# Allegro board 8880F5-0822_7.brd (continued)
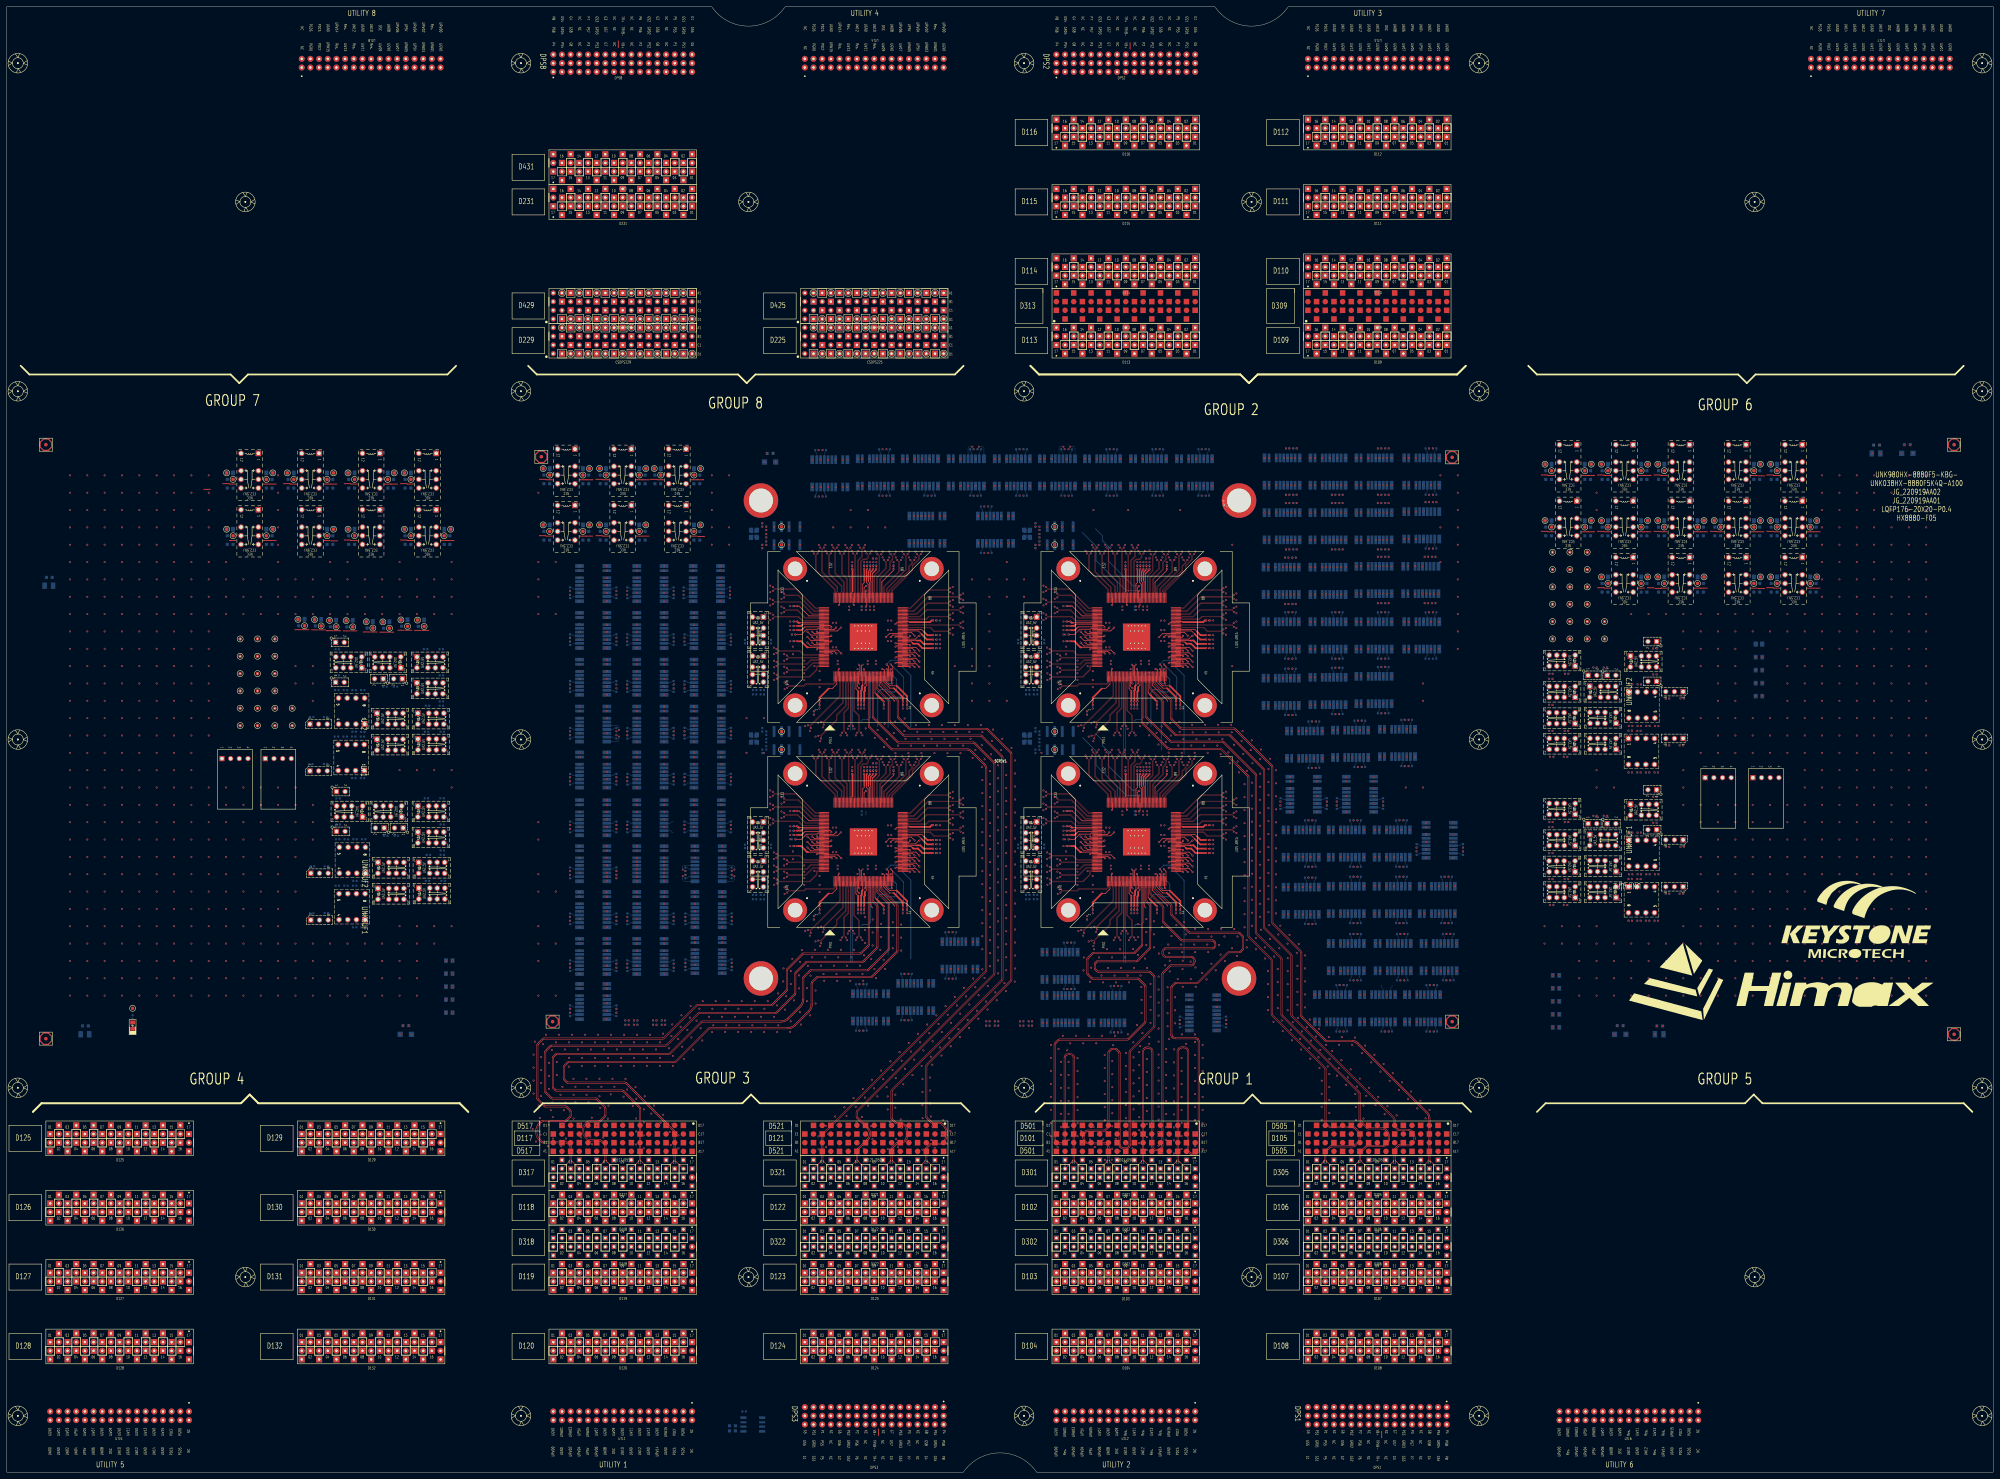
[diagram p0: board, top side]
## Placement (name value [footprint] x y rotation side) (continued)
FD9  -  [FD_040_V2]  570.23 128.27 180 bottom
FD10  -  [FD_040_V2]  570.23 300.99 0 top
FD11  -  [FD_040_V2]  570.23 300.99 180 bottom
FD12  -  [FD_040_V2]  11.43 300.99 0 top
FD13  -  [FD_040_V2]  11.43 300.99 180 bottom
FD14  -  [FD_040_V2]  11.43 127 0 top
FD15  -  [FD_040_V2]  11.43 127 180 bottom
FD16  -  [FD_040_V2]  570.23 128.27 0 top
GND1  TP01  [TP_040_T]  173.57 294 0 top
GND2  TP01  [TP_040_T]  187.11 294 180 top
GND3  TP01  [TP_040_T]  116.42 292.74 0 top
GND4  TP01  [TP_040_T]  157.06 294 0 top
GND5  TP01  [TP_040_T]  170.6 294 180 top
GND6  TP01  [TP_040_T]  173.57 277.5 0 top
GND7  TP01  [TP_040_T]  203.11 294 180 top
GND8  TP01  [TP_040_T]  189.58 294 0 top
GND9  TP01  [TP_040_T]  170.6 277.5 180 top
GND10  TP01  [TP_040_T]  99.36 249.46 0 top
GND11  TP01  [TP_040_T]  94.49 249.52 0 top
GND12  TP01  [TP_040_T]  203.11 277.5 180 top
GND13  TP01  [TP_040_T]  187.11 277.5 180 top
GND14  TP01  [TP_040_T]  157.06 277.5 0 top
HX8880-F05  REF-CODE-CHIP  [CHIP_CODE]  559.05 279.65 0 top
J1  HDR-2X1-M  [JP_2P_100]  110.24 232.41 270 bottom
J2  HDR-3X1-M  [JP_3P_100]  88.76 205.43 90 bottom
J3  HDR-3X1-M  [JP_3P_100]  88.76 219.15 90 bottom
J4  HDR-2X1-M  [JP_2P_100]  96.27 231.39 90 bottom
J5  HDR-2X1-M  [JP_2P_100]  96.27 243.08 90 bottom
JG_220919AA01  REF-CODE-SOCKET  [SOCKET_CODE]  559.05 284.73 0 top
JG_220919AA02  REF-CODE-SOCKET  [SOCKET_CODE]  559.05 287.27 0 top
K1  G6K-2F-RF-T-5V-SPECIAL  [RL_G6K2FRT_8P_5V_GR]  171.7 219.2 270 bottom
K2  G6K-2F-RF-T-5V-SPECIAL  [RL_G6K2FRT_8P_5V_GR]  205.23 232.92 270 bottom
K3  G6K-2F-RF-T-5V-SPECIAL  [RL_G6K2FRT_8P_5V_GR]  294.39 292.86 0 bottom
K4  G6K-2F-RF-T-5V-SPECIAL  [RL_G6K2FRT_8P_5V_GR]  307.59 292.86 0 bottom
K5  G6K-2F-RF-T-5V-SPECIAL  [RL_G6K2FRT_8P_5V_GR]  347.73 292.86 0 bottom
K6  G6K-2F-RF-T-5V-SPECIAL  [RL_G6K2FRT_8P_5V_GR]  334.26 292.86 0 bottom
K7  G6K-2F-RF-T-5V-SPECIAL  [RL_G6K2FRT_8P_5V_GR]  320.8 292.86 0 bottom
K8  G6K-2F-RF-T-5V-SPECIAL  [RL_G6K2FRT_8P_5V_GR]  267.46 292.86 0 bottom
K9  UA2-5NJ-A-V3  [RL_NECUA2_5V_V3]  219.96 235.46 90 bottom
K10  UA2-5NJ-A-V3  [RL_NECUA2_5V_V3]  111.76 237.24 0 bottom
K11  G6K-2F-RF-T-5V-SPECIAL  [RL_G6K2FRT_8P_5V_GR]  289.56 276.1 180 bottom
K12  UA2-5NJ-A-V3  [RL_NECUA2_5V_V3]  219.96 246.89 90 bottom
K13  UA2-5NJ-A-V3  [RL_NECUA2_5V_V3]  123.7 229.62 180 bottom
K14  UA2-5NJ-A-V3  [RL_NECUA2_5V_V3]  112.01 220.73 180 bottom
K15  UA2-5NJ-A-V3  [RL_NECUA2_5V_V3]  123.99 213.19 180 bottom
K16  G6K-2F-RF-T-5V-SPECIAL  [RL_G6K2FRT_8P_5V_GR]  241.05 292.61 180 bottom
K17  G6K-2F-RF-T-5V-SPECIAL  [RL_G6K2FRT_8P_5V_GR]  254.25 292.86 0 bottom
K18  UB2-5NU-B  [RL_NECUB2_5V]  228.45 274.32 0 bottom
K19  UA2-5NJ-A-V3  [RL_NECUA2_5V_V3]  112.01 213.11 180 bottom
K20  UA2-5NJ-A-V3  [RL_NECUA2_5V_V3]  123.95 220.73 180 bottom
K21  G6K-2F-RF-T-5V-SPECIAL  [RL_G6K2FRT_8P_5V_GR]  280.92 292.86 0 bottom
K22  G6K-2F-RF-T-5V-SPECIAL  [RL_G6K2FRT_8P_5V_GR]  205.23 246.63 270 bottom
K23  G6K-2F-RF-T-5V-SPECIAL  [RL_G6K2FRT_8P_5V_GR]  188.47 232.92 270 bottom
K24  G6K-2F-RF-T-5V-SPECIAL  [RL_G6K2FRT_8P_5V_GR]  171.7 232.92 270 bottom
K25  G6K-2F-RF-T-5V-SPECIAL  [RL_G6K2FRT_8P_5V_GR]  204.98 260.35 270 bottom
K26  G6K-2F-RF-T-5V-SPECIAL  [RL_G6K2FRT_8P_5V_GR]  188.47 246.63 270 bottom
K27  G6K-2F-RF-T-5V-SPECIAL  [RL_G6K2FRT_8P_5V_GR]  171.7 246.63 270 bottom
K28  UA2-5NJ-A-V3  [RL_NECUA2_5V_V3]  100.33 237.24 0 bottom
K29  G6K-2F-RF-T-5V-SPECIAL  [RL_G6K2FRT_8P_5V_GR]  171.7 260.35 270 bottom
K30  G6K-2F-RF-T-5V-SPECIAL  [RL_G6K2FRT_8P_5V_GR]  188.47 260.35 270 bottom
K31  EC2-5NJ-A  [RL_NECEC2_10P_5V]  196.34 276.86 90 bottom
K33  NC/UA2-5NJ-A-V3  [RL_NECUA2_5V_V3]  123.7 237.24 180 bottom
K34  EC2-5NJ-A  [RL_NECEC2_10P_5V]  180.34 293.37 90 bottom
K36  EC2-5NJ-A  [RL_NECEC2_10P_5V]  123.19 292.1 90 bottom
K37  EC2-5NJ-A  [RL_NECEC2_10P_5V]  163.83 293.37 90 bottom
K39  EC2-5NJ-A  [RL_NECEC2_10P_5V]  180.34 276.86 90 bottom
K40  EC2-5NJ-A  [RL_NECEC2_10P_5V]  196.34 293.37 90 bottom
K42  EC2-5NJ-A  [RL_NECEC2_10P_5V]  163.83 276.86 90 bottom
K43  G6K-2F-RF-T-5V-SPECIAL  [RL_G6K2FRT_8P_5V_GR]  269.49 276.1 180 bottom
LD902  LDG-2-S8  [LED_0805]  36.83 130.81 90 top
LOGO1  -  [LOGO_KT_KSMT]  538.48 154.94 0 top
LOGO2  LOGO_HX_Himax  [LOGO_HX_HIMAX]  518.16 138.43 0 top
LQFP176-20X20-P0.4  REF-CODE-CHIP  [CHIP_CODE]  559.05 282.19 0 top
NOREF  -  []  420.37 255.47 90 top
NOREF#2  -  []  453.88 171.53 0 top
NOREF#3  -  []  119.95 222.33 0 top
NOREF#4  -  []  327.57 205.86 90 top
NOREF#5  -  []  122.15 195.15 0 top
NOREF#6  -  []  383.09 257.11 0 top
NOREF#7  -  []  412.37 265.37 0 top
NOREF#8  -  []  465.45 290.38 90 top
NOREF#9  -  []  106.29 174.19 90 top
NOREF#10  -  []  106.76 222.88 0 top
NOREF#11  -  []  392.21 131.94 90 top
NOREF#12  -  []  352.25 184.23 0 top
NOREF#13  -  []  375.73 196.98 90 top
NOREF#14  -  []  259.65 264.65 90 top
NOREF#15  -  []  252.6 296.86 0 top
NOREF#16  -  []  400.85 281.11 0 top
NOREF#17  -  []  327.89 204.35 90 top
NOREF#18  -  []  295.96 248.49 0 top
NOREF#19  -  []  239.33 236.03 90 top
NOREF#20  -  []  327.57 265.86 90 top
NOREF#21  -  []  302.71 132.91 90 top
NOREF#22  -  []  96.33 238.84 0 top
NOREF#23  -  []  175.7 259.8 90 top
NOREF#24  -  []  167.7 260.9 90 top
NOREF#25  -  []  278.6 147.38 0 top
NOREF#26  -  []  201.23 219.75 90 top
NOREF#27  -  []  201.49 163.2 90 top
NOREF#28  -  []  226.85 271.67 0 top
NOREF#29  -  []  175.7 168.6 90 top
NOREF#30  -  []  230.43 243.09 90 top
NOREF#31  -  []  326.17 131.69 90 top
NOREF#32  -  []  234.33 168.13 90 top
NOREF#33  -  []  320.83 194.63 0 top
NOREF#34  -  []  475.04 239.09 0 top
NOREF#35  -  []  389.7 209.36 0 top
NOREF#36  -  []  419.9 272.92 90 top
NOREF#37  -  []  310.73 253.69 0 top
NOREF#38  -  []  459.28 227 0 top
NOREF#39  -  []  112.67 171.02 0 top
NOREF#40  -  []  473.6 162.62 90 top
NOREF#41  -  []  127.95 222.33 0 top
NOREF#42  -  []  275.82 296.86 0 top
NOREF#43  -  []  252.51 205.55 0 top
NOREF#44  -  []  262.68 223.52 90 top
NOREF#45  -  []  321.35 296.86 0 top
NOREF#46  -  []  106.11 234.24 0 top
NOREF#47  -  []  368.03 265.11 0 top
NOREF#48  -  []  459.28 211.76 0 top
NOREF#49  -  []  475.04 195.66 0 top
NOREF#50  -  []  352.25 182.96 0 top
NOREF#51  -  []  168.69 290.01 90 top
NOREF#52  -  []  378.58 273.11 90 top
NOREF#53  -  []  385.32 161.49 90 top
NOREF#54  -  []  259.88 288.41 90 top
NOREF#55  -  []  461.86 187.32 0 top
NOREF#56  -  []  409.17 297.12 0 top
NOREF#57  -  []  413.51 207.71 90 top
NOREF#58  -  []  300.36 237.06 0 top
NOREF#59  -  []  405.93 224.66 90 top
NOREF#60  -  []  351.34 243.91 0 top
NOREF#61  -  []  201.21 292.55 90 top
NOREF#62  -  []  331.06 223.82 90 top
NOREF#63  -  []  478.57 277.31 90 top
NOREF#64  -  []  352.24 249.18 90 top
NOREF#65  -  []  201.49 151.93 90 top
NOREF#66  -  []  471.21 211.76 90 top
NOREF#67  -  []  271.31 288.86 0 top
NOREF#68  -  []  223.56 245.29 90 top
NOREF#69  -  []  352.25 243.59 90 top
NOREF#70  -  []  331.05 204.65 90 top
NOREF#71  -  []  465.45 273.87 90 top
NOREF#72  -  []  385.19 273.11 0 top
NOREF#73  -  []  385.19 249.11 0 top
NOREF#74  -  []  352.25 245.5 0 top
NOREF#75  -  []  390.53 171.64 0 top
NOREF#76  -  []  468.85 257.36 90 top
NOREF#77  -  []  408.02 287.22 0 top
NOREF#78  -  []  115.61 219.13 90 top
NOREF#79  -  []  279.27 288.86 0 top
NOREF#80  -  []  461.86 230.75 0 top
NOREF#81  -  []  199.33 185.42 90 top
NOREF#82  -  []  385.32 178.25 90 top
NOREF#83  -  []  177.33 133.47 90 top
NOREF#84  -  []  218.13 274.06 90 top
NOREF#85  -  []  248.96 164.74 0 top
NOREF#86  -  []  271.34 183.91 0 top
NOREF#87  -  []  252.51 264.35 90 top
NOREF#88  -  []  271.34 185.18 0 top
NOREF#89  -  []  192.47 222.95 90 top
NOREF#90  -  []  398.53 178.25 90 top
NOREF#91  -  []  209.23 218.65 90 top
NOREF#92  -  []  310.41 188.88 90 top
NOREF#93  -  []  254.29 265.56 90 top
NOREF#94  -  []  98.53 238.84 0 top
NOREF#95  -  []  167.7 244.98 90 top
NOREF#96  -  []  270.04 280.1 0 top
NOREF#97  -  []  239.33 183.63 90 top
NOREF#98  -  []  241.82 227.13 90 top
NOREF#99  -  []  485.36 292.02 90 top
NOREF#100  -  []  250.73 205.56 90 top
NOREF#101  -  []  343.95 164.74 90 top
NOREF#102  -  []  201.23 231.27 90 top
NOREF#103  -  []  218.13 214.06 0 top
NOREF#104  -  []  405.5 257.37 90 top
NOREF#105  -  []  477.24 239.09 0 top
NOREF#106  -  []  298.49 288.91 90 top
NOREF#107  -  []  339.33 205.55 0 top
NOREF#108  -  []  378.75 240.66 90 top
NOREF#109  -  []  184.47 200.54 90 top
NOREF#110  -  []  390.69 289.12 0 top
NOREF#111  -  []  376.23 209.11 0 top
NOREF#112  -  []  211.11 173.86 90 top
NOREF#113  -  []  270.29 135.24 90 top
NOREF#114  -  []  230.43 248.88 90 top
NOREF#115  -  []  230.73 187.93 0 top
NOREF#116  -  []  260.83 174.63 90 top
NOREF#117  -  []  201.23 217.55 90 top
NOREF#118  -  []  260.83 234.63 90 top
NOREF#119  -  []  461.96 210.36 0 top
NOREF#120  -  []  221.56 231.46 0 top
NOREF#121  -  []  209.33 215.25 90 top
NOREF#122  -  []  330.51 288.86 0 top
NOREF#123  -  []  415.61 183.52 90 top
NOREF#124  -  []  410.78 131.89 0 top
NOREF#125  -  []  314.71 142.44 90 top
NOREF#126  -  []  192.47 162.1 90 top
NOREF#127  -  []  369.38 257.11 0 top
NOREF#128  -  []  250.73 264.35 90 top
NOREF#129  -  []  237.66 164.74 0 top
NOREF#130  -  []  424.98 146.43 90 top
NOREF#131  -  []  251.94 204.65 90 top
NOREF#132  -  []  222.11 252.14 0 top
NOREF#133  -  []  400.24 195.88 90 top
NOREF#134  -  []  303.15 271.32 90 top
NOREF#135  -  []  209.49 148.63 90 top
NOREF#136  -  []  319.33 176.03 0 top
NOREF#137  -  []  261.63 233.83 90 top
NOREF#138  -  []  518.38 273.87 90 top
NOREF#139  -  []  230.41 246.34 90 top
NOREF#140  -  []  343.63 225.04 90 top
NOREF#141  -  []  346.08 296.86 0 top
NOREF#142  -  []  217.71 276.09 0 top
NOREF#143  -  []  184.47 214 90 top
NOREF#144  -  []  246.63 130.24 90 top
NOREF#145  -  []  295.96 177.06 0 top
NOREF#146  -  []  306.85 211.67 0 top
NOREF#147  -  []  230.43 193.37 90 top
NOREF#148  -  []  518.38 276.41 90 top
NOREF#149  -  []  369.38 257.11 0 top
NOREF#150  -  []  392.24 193.43 0 top
NOREF#151  -  []  84.04 287.84 90 top
NOREF#152  -  []  411.52 146.33 90 top
NOREF#153  -  []  391.8 217.36 0 top
NOREF#154  -  []  120.21 178.64 0 top
NOREF#155  -  []  301.56 231.46 0 top
NOREF#156  -  []  417.7 146.88 0 top
NOREF#157  -  []  337.09 164.74 90 top
NOREF#158  -  []  322.23 233.13 0 top
NOREF#159  -  []  367.48 258.38 90 top
NOREF#160  -  []  463.11 230.2 0 top
NOREF#161  -  []  199.84 148.65 90 top
NOREF#162  -  []  201.49 159.65 0 top
NOREF#163  -  []  201.23 200.54 90 top
NOREF#164  -  []  378.33 217.11 0 top
NOREF#165  -  []  201.91 159.1 90 top
NOREF#166  -  []  230.43 248.88 90 top
NOREF#167  -  []  201.66 240.88 90 top
NOREF#168  -  []  404.15 257.37 0 top
NOREF#169  -  []  168.13 132.17 90 top
NOREF#170  -  []  251.94 264.65 90 top
NOREF#171  -  []  230.73 253.69 0 top
NOREF#172  -  []  296.96 240.71 0 top
NOREF#173  -  []  310.41 248.88 90 top
NOREF#174  -  []  256.45 164.72 0 top
NOREF#175  -  []  374.08 195.9 90 top
NOREF#176  -  []  257.9 246.99 0 top
NOREF#177  -  []  338.36 288.91 90 top
NOREF#178  -  []  263.71 288.86 0 top
NOREF#179  -  []  208.98 264.1 90 top
NOREF#180  -  []  201.91 172.56 90 top
NOREF#181  -  []  184.47 190.12 90 top
NOREF#182  -  []  385.19 265.11 0 top
NOREF#183  -  []  309.21 243.09 0 top
NOREF#184  -  []  400.25 148.15 90 top
NOREF#185  -  []  528.1 257.36 90 top
NOREF#186  -  []  342.08 290.13 90 top
NOREF#187  -  []  398.65 209.36 90 top
NOREF#188  -  []  336.45 224.72 0 top
NOREF#189  -  []  251.38 163.52 90 top
NOREF#190  -  []  397.8 179.6 90 top
NOREF#191  -  []  373.83 192.28 90 top
NOREF#192  -  []  209.23 250.38 90 top
NOREF#193  -  []  230.43 183.09 0 top
NOREF#194  -  []  343.95 163.52 90 top
NOREF#195  -  []  192.47 259.8 90 top
NOREF#196  -  []  450.03 234.74 0 top
NOREF#197  -  []  346.27 129.42 0 top
NOREF#198  -  []  410.84 163.64 90 top
NOREF#199  -  []  420.62 287.22 90 top
NOREF#200  -  []  367.48 225.87 90 top
NOREF#201  -  []  201.49 146.18 90 top
NOREF#202  -  []  461.86 225.6 90 top
NOREF#203  -  []  478.57 274.77 90 top
NOREF#204  -  []  285.02 288.91 90 top
NOREF#205  -  []  182.57 185.42 0 top
NOREF#206  -  []  403.41 209.61 0 top
NOREF#207  -  []  201.23 241.43 90 top
NOREF#208  -  []  373.68 249.11 0 top
NOREF#209  -  []  413.2 164.91 90 top
NOREF#210  -  []  263.14 270.2 90 top
NOREF#211  -  []  182.57 212.85 0 top
NOREF#212  -  []  201.66 199.99 90 top
NOREF#213  -  []  501.87 276.41 90 top
NOREF#214  -  []  352.24 241.05 90 top
NOREF#215  -  []  387.39 232.85 0 top
NOREF#216  -  []  322.23 173.13 0 top
NOREF#217  -  []  332.51 264.35 90 top
NOREF#218  -  []  304.61 131.64 0 top
NOREF#219  -  []  352.55 183.91 0 top
NOREF#220  -  []  334.29 205.56 0 top
NOREF#221  -  []  425.7 144.98 90 top
NOREF#222  -  []  200.98 260.9 90 top
NOREF#223  -  []  331.06 225.04 90 top
NOREF#224  -  []  302.11 142.44 0 top
NOREF#225  -  []  167.7 178.86 90 top
NOREF#226  -  []  320.42 139.64 0 top
NOREF#227  -  []  217.83 174.63 90 top
NOREF#228  -  []  117.33 247.35 90 top
NOREF#229  -  []  398.65 273.11 0 top
NOREF#230  -  []  167.7 217.55 90 top
NOREF#231  -  []  386.33 207.21 90 top
NOREF#232  -  []  343.83 231.63 90 top
NOREF#233  -  []  404.4 257.42 90 top
NOREF#234  -  []  372.72 161.49 0 top
NOREF#235  -  []  309.51 247.93 0 top
NOREF#236  -  []  165.8 144.78 0 top
NOREF#237  -  []  175.8 201.79 90 top
NOREF#238  -  []  473.7 176.22 90 top
NOREF#239  -  []  249.6 164.74 90 top
NOREF#240  -  []  387.39 265.11 0 top
NOREF#241  -  []  222.67 298 90 top
NOREF#242  -  []  103.93 235.64 90 top
NOREF#243  -  []  172.08 275.14 90 top
NOREF#244  -  []  412.79 209.06 90 top
NOREF#245  -  []  332.61 296.86 0 top
NOREF#246  -  []  119.7 238.84 0 top
NOREF#247  -  []  118.7 222.88 0 top
NOREF#248  -  []  451.68 171.53 0 top
NOREF#249  -  []  309.21 186.34 0 top
NOREF#250  -  []  309.51 253.69 0 top
NOREF#251  -  []  332.61 288.86 0 top
NOREF#252  -  []  302.11 180.71 0 top
NOREF#253  -  []  314.33 168.13 90 top
NOREF#254  -  []  331.62 265.56 0 top
NOREF#255  -  []  248.33 187.93 0 top
NOREF#256  -  []  258.61 131.69 90 top
NOREF#257  -  []  184.47 241.43 90 top
NOREF#258  -  []  396.55 225.11 0 top
NOREF#259  -  []  272.24 183.59 90 top
NOREF#260  -  []  366.88 255.21 0 top
NOREF#261  -  []  295.96 177.06 0 top
NOREF#262  -  []  352.25 189.18 90 top
NOREF#263  -  []  35.83 132.61 0 top
NOREF#264  -  []  352.55 241.37 0 top
NOREF#265  -  []  263.63 163.82 90 top
NOREF#266  -  []  378.33 241.11 90 top
NOREF#267  -  []  226.83 209.63 90 top
NOREF#268  -  []  259.97 204.35 90 top
NOREF#269  -  []  407.71 217.61 0 top
NOREF#270  -  []  339.33 205.55 0 top
NOREF#271  -  []  412.62 241.11 0 top
NOREF#272  -  []  254.29 205.56 0 top
NOREF#273  -  []  331.62 205.56 90 top
NOREF#274  -  []  412.62 281.37 0 top
NOREF#275  -  []  281.47 296.86 0 top
NOREF#276  -  []  165.8 226.57 90 top
NOREF#277  -  []  410.27 257.37 0 top
NOREF#278  -  []  390.94 289.17 90 top
NOREF#279  -  []  292.74 296.86 0 top
NOREF#280  -  []  259.65 204.65 90 top
NOREF#281  -  []  406.65 223.21 90 top
NOREF#282  -  []  259.65 205.86 90 top
NOREF#283  -  []  327.25 205.55 0 top
NOREF#284  -  []  456.04 179.06 0 top
NOREF#285  -  []  184.47 149.48 90 top
NOREF#286  -  []  310.41 243.09 90 top
NOREF#287  -  []  263.85 273.37 90 top
NOREF#288  -  []  226.44 294.64 90 top
NOREF#289  -  []  397.57 131.89 0 top
NOREF#290  -  []  192.47 243.88 90 top
NOREF#291  -  []  495.08 274.77 90 top
NOREF#292  -  []  470.79 128.27 0 top
NOREF#293  -  []  167.7 215.35 90 top
NOREF#294  -  []  394.66 226.38 90 top
NOREF#295  -  []  257.09 164.74 90 top
NOREF#296  -  []  399.8 207.46 90 top
NOREF#297  -  []  374.34 210.38 90 top
NOREF#298  -  []  272.25 185.5 0 top
NOREF#299  -  []  250.5 288.86 0 top
NOREF#300  -  []  396.55 273.11 0 top
NOREF#301  -  []  250.18 182.88 0 top
NOREF#302  -  []  272.25 189.82 0 top
NOREF#303  -  []  229.21 247.61 0 top
NOREF#304  -  []  237.66 224.72 0 top
NOREF#305  -  []  312.79 288.86 90 top
NOREF#306  -  []  416.03 179.42 90 top
NOREF#307  -  []  250.74 164.74 0 top
NOREF#308  -  []  101.82 271.33 90 top
NOREF#309  -  []  330.17 165.04 90 top
NOREF#310  -  []  199.08 254 90 top
NOREF#311  -  []  453.84 179.06 0 top
NOREF#312  -  []  399.99 164.91 90 top
NOREF#313  -  []  406.94 131.34 90 top
NOREF#314  -  []  333.4 265.56 90 top
NOREF#315  -  []  121.9 231.22 0 top
NOREF#316  -  []  247.25 205.56 90 top
NOREF#317  -  []  373.87 188.15 0 top
NOREF#318  -  []  332.51 265.56 90 top
NOREF#319  -  []  418.12 241.11 0 top
NOREF#320  -  []  165.8 226.57 0 top
NOREF#321  -  []  397.8 163.09 90 top
NOREF#322  -  []  209.59 147.43 90 top
NOREF#323  -  []  385.93 144.98 0 top
NOREF#324  -  []  118.7 217.73 90 top
NOREF#325  -  []  272.25 182.96 0 top
NOREF#326  -  []  201.23 206.29 90 top
NOREF#327  -  []  127.7 238.84 0 top
NOREF#328  -  []  118.45 239.39 0 top
NOREF#329  -  []  272.55 249.5 0 top
NOREF#330  -  []  392.47 288.67 90 top
NOREF#331  -  []  401.89 163.64 0 top
NOREF#332  -  []  404.15 289.12 0 top
NOREF#333  -  []  167.7 136.27 90 top
NOREF#334  -  []  289.01 272.1 0 top
NOREF#335  -  []  511.59 276.41 90 top
NOREF#336  -  []  248.61 290.13 90 top
NOREF#337  -  []  450.03 210.36 0 top
NOREF#338  -  []  192.47 177.76 90 top
NOREF#339  -  []  230.43 249.52 0 top
NOREF#340  -  []  351.04 241.69 0 top
NOREF#341  -  []  406.65 271.21 90 top
NOREF#342  -  []  310.43 187.61 90 top
NOREF#343  -  []  209.08 256.4 90 top
NOREF#344  -  []  118.7 188.08 0 top
NOREF#345  -  []  392.47 272.56 90 top
NOREF#346  -  []  262.36 296.86 0 top
NOREF#347  -  []  259.84 133.29 90 top
NOREF#348  -  []  411.99 178.25 90 top
NOREF#349  -  []  393.31 131.89 90 top
NOREF#350  -  []  400.34 194.68 90 top
NOREF#351  -  []  381.2 290.39 90 top
NOREF#352  -  []  272.24 189.18 90 top
NOREF#353  -  []  451.68 239.34 0 top
NOREF#354  -  []  118.96 174.04 90 top
NOREF#355  -  []  276.4 147.38 0 top
NOREF#356  -  []  334.29 265.56 90 top
NOREF#357  -  []  332.51 204.35 90 top
NOREF#358  -  []  384.59 162.94 90 top
NOREF#359  -  []  346.27 132.97 90 top
NOREF#360  -  []  253.4 205.56 90 top
NOREF#361  -  []  167.7 255.15 90 top
NOREF#362  -  []  334.29 205.55 0 top
NOREF#363  -  []  177.33 160.4 90 top
NOREF#364  -  []  461.96 166.93 0 top
NOREF#365  -  []  94.68 234.24 0 top
NOREF#366  -  []  450.03 182.17 0 top
NOREF#367  -  []  120.24 171.1 0 top
NOREF#368  -  []  310.41 187.61 90 top
NOREF#369  -  []  309.51 249.2 0 top
NOREF#370  -  []  518.38 292.92 90 top
NOREF#371  -  []  182.57 254 90 top
NOREF#372  -  []  172.08 272.6 90 top
NOREF#373  -  []  254.61 205.86 90 top
NOREF#374  -  []  451.68 195.91 0 top
NOREF#375  -  []  272.25 245.5 0 top
NOREF#376  -  []  184.89 145.38 90 top
NOREF#377  -  []  309.21 188.88 0 top
NOREF#378  -  []  271.04 185.5 0 top
NOREF#379  -  []  110.21 222.33 0 top
NOREF#380  -  []  384.59 179.6 90 top
NOREF#381  -  []  272.25 183.59 90 top
NOREF#382  -  []  246.63 142.04 0 top
NOREF#383  -  []  167.7 201.89 90 top
NOREF#384  -  []  306.71 139.64 0 top
NOREF#385  -  []  378.75 224.15 90 top
NOREF#386  -  []  166.06 257.62 90 top
NOREF#387  -  []  303.84 288.86 0 top
NOREF#388  -  []  209.49 155.13 90 top
NOREF#389  -  []  397.57 131.89 0 top
NOREF#390  -  []  298.24 288.86 0 top
NOREF#391  -  []  232.25 271.67 90 top
NOREF#392  -  []  263.83 171.63 90 top
NOREF#393  -  []  423.61 182.42 90 top
NOREF#394  -  []  184.47 247.18 90 top
NOREF#395  -  []  310.43 253.37 0 top
NOREF#396  -  []  456.08 214.96 0 top
NOREF#397  -  []  302.71 145.61 90 top
NOREF#398  -  []  337.09 223.52 90 top
NOREF#399  -  []  333.72 205.86 90 top
NOREF#400  -  []  182.82 189.04 90 top
NOREF#401  -  []  259.33 205.55 0 top
NOREF#402  -  []  419.64 256.82 90 top
NOREF#403  -  []  119.95 222.33 0 top
NOREF#404  -  []  376.15 192.88 90 top
NOREF#405  -  []  199.33 212.85 90 top
NOREF#406  -  []  184.89 227.17 90 top
NOREF#407  -  []  226.85 211.67 0 top
NOREF#408  -  []  461.86 187.32 0 top
NOREF#409  -  []  201.23 186.57 90 top
NOREF#410  -  []  377.48 289.17 90 top
NOREF#411  -  []  385.61 208.56 90 top
NOREF#412  -  []  411.26 163.19 90 top
NOREF#413  -  []  400.24 198.08 90 top
NOREF#414  -  []  273.09 288.31 90 top
NOREF#415  -  []  326.43 288.41 90 top
NOREF#416  -  []  339.97 204.35 90 top
NOREF#417  -  []  165.8 171.96 0 top
NOREF#418  -  []  166.06 148.4 90 top
NOREF#419  -  []  167.7 145.93 90 top
NOREF#420  -  []  167.7 260.9 90 top
NOREF#421  -  []  403.99 171.64 0 top
NOREF#422  -  []  330.49 224.74 90 top
NOREF#423  -  []  399.07 208.81 90 top
NOREF#424  -  []  354.08 286.96 90 top
NOREF#425  -  []  218.16 237.06 0 top
NOREF#426  -  []  175.7 148.38 90 top
NOREF#427  -  []  318.3 164.74 90 top
NOREF#428  -  []  254.8 296.86 0 top
NOREF#429  -  []  230.43 253.37 90 top
NOREF#430  -  []  461.96 217.98 0 top
NOREF#431  -  []  119.99 214.79 0 top
NOREF#432  -  []  277.17 288.86 0 top
NOREF#433  -  []  106.76 210.11 90 top
NOREF#434  -  []  410.78 131.89 0 top
NOREF#435  -  []  185.2 292.55 90 top
NOREF#436  -  []  194.09 173.86 90 top
NOREF#437  -  []  373.68 265.11 0 top
NOREF#438  -  []  116.01 222.33 0 top
NOREF#439  -  []  101.82 273.87 90 top
NOREF#440  -  []  304.65 211.67 0 top
NOREF#441  -  []  425.23 180.72 90 top
NOREF#442  -  []  165.8 254 90 top
NOREF#443  -  []  192.47 236.67 90 top
NOREF#444  -  []  375.73 193.43 0 top
NOREF#445  -  []  250.74 224.72 0 top
NOREF#446  -  []  301.56 242.89 0 top
NOREF#447  -  []  324.65 288.86 0 top
NOREF#448  -  []  271.04 189.82 0 top
NOREF#449  -  []  192.47 218.65 90 top
NOREF#450  -  []  94.93 190.55 0 top
NOREF#451  -  []  110.47 178.64 0 top
NOREF#452  -  []  256.45 224.74 0 top
NOREF#453  -  []  118.96 179.19 0 top
NOREF#454  -  []  334.29 264.35 90 top
NOREF#455  -  []  352.24 243.59 90 top
NOREF#456  -  []  419.9 154.88 0 top
NOREF#457  -  []  394.05 239.21 0 top
NOREF#458  -  []  192.47 175.56 90 top
NOREF#459  -  []  409.49 163.64 0 top
NOREF#460  -  []  308.14 296.86 0 top
NOREF#461  -  []  247.25 265.55 0 top
NOREF#462  -  []  330.74 224.74 0 top
NOREF#463  -  []  209.23 209.49 90 top
NOREF#464  -  []  306.83 209.63 90 top
NOREF#465  -  []  317.66 164.72 0 top
NOREF#466  -  []  392.24 193.43 90 top
NOREF#467  -  []  298.13 274.06 0 top
NOREF#468  -  []  410.84 180.15 90 top
NOREF#469  -  []  230.43 188.88 90 top
NOREF#470  -  []  93.76 273.87 90 top
NOREF#471  -  []  192.57 242.68 90 top
NOREF#472  -  []  352.55 182.64 0 top
NOREF#473  -  []  324.9 288.91 90 top
NOREF#474  -  []  220.36 177.06 0 top
NOREF#475  -  []  385.36 194.18 90 top
NOREF#476  -  []  239.33 236.03 0 top
NOREF#477  -  []  461.86 230.75 0 top
NOREF#478  -  []  175.7 218.65 90 top
NOREF#479  -  []  379.48 255.21 90 top
NOREF#480  -  []  184.47 231.27 90 top
NOREF#481  -  []  352.25 249.18 90 top
NOREF#482  -  []  295.96 188.49 0 top
NOREF#483  -  []  297.41 213.24 90 top
NOREF#484  -  []  326.23 173.13 0 top
NOREF#485  -  []  318.32 131.64 0 top
NOREF#486  -  []  66.26 287.84 90 top
NOREF#487  -  []  343.31 224.74 0 top
NOREF#488  -  []  257.08 132.19 90 top
NOREF#489  -  []  311.15 159.63 90 top
NOREF#490  -  []  311.15 219.63 90 top
NOREF#491  -  []  283.21 282 0 top
NOREF#492  -  []  277.5 155.38 0 top
NOREF#493  -  []  201.23 201.89 90 top
NOREF#494  -  []  230.73 193.69 0 top
NOREF#495  -  []  215.96 237.06 0 top
NOREF#496  -  []  199.59 230.19 90 top
NOREF#497  -  []  192.57 228.97 90 top
NOREF#498  -  []  310.73 189.2 0 top
NOREF#499  -  []  330.73 204.35 90 top
NOREF#500  -  []  284.77 146.93 90 top
NOREF#501  -  []  273.81 286.96 90 top
NOREF#502  -  []  381.74 249.11 0 top
NOREF#503  -  []  333.72 264.65 90 top
NOREF#504  -  []  166.06 203.01 90 top
NOREF#505  -  []  272.24 244.86 90 top
NOREF#506  -  []  184.47 151.68 90 top
NOREF#507  -  []  175.8 242.68 90 top
NOREF#508  -  []  384.08 209.16 90 top
NOREF#509  -  []  118.7 195.7 0 top
NOREF#510  -  []  285.71 280.1 0 top
NOREF#511  -  []  473.79 196.21 0 top
NOREF#512  -  []  192.47 264.1 90 top
NOREF#513  -  []  201.49 173.11 90 top
NOREF#514  -  []  310.43 183.09 90 top
NOREF#515  -  []  327.25 204.35 90 top
NOREF#516  -  []  390.53 180.15 0 top
NOREF#517  -  []  182.57 199.39 90 top
NOREF#518  -  []  333.72 204.65 90 top
NOREF#519  -  []  388.43 146.88 0 top
NOREF#520  -  []  375.22 180.15 0 top
NOREF#521  -  []  167.7 186.57 0 top
NOREF#522  -  []  423.61 184.62 90 top
NOREF#523  -  []  352.25 182.32 90 top
NOREF#524  -  []  259.33 204.35 90 top
NOREF#525  -  []  184.47 173.11 0 top
NOREF#526  -  []  383.09 241.11 0 top
NOREF#527  -  []  472.86 174.55 90 top
NOREF#528  -  []  201.49 147.53 90 top
NOREF#529  -  []  352.55 185.18 0 top
NOREF#530  -  []  258.2 246.67 0 top
NOREF#531  -  []  478.57 259.9 90 top
NOREF#532  -  []  124.1 231.22 0 top
NOREF#533  -  []  415.1 163.64 0 top
NOREF#534  -  []  201.49 149.73 90 top
NOREF#535  -  []  247.89 204.35 90 top
NOREF#536  -  []  199.33 185.42 0 top
NOREF#537  -  []  373.83 192.28 0 top
NOREF#538  -  []  392.04 241.11 90 top
NOREF#539  -  []  400.85 297.12 0 top
NOREF#540  -  []  118.45 234.24 90 top
NOREF#541  -  []  319.33 236.03 90 top
NOREF#542  -  []  252.43 132.14 0 top
NOREF#543  -  []  115.61 191.95 0 top
NOREF#544  -  []  328.01 286.96 0 top
NOREF#545  -  []  397.38 146.88 90 top
NOREF#546  -  []  463.61 171.53 0 top
NOREF#547  -  []  298.16 237.06 0 top
NOREF#548  -  []  310.83 164.63 0 top
NOREF#549  -  []  379.73 271.21 90 top
NOREF#550  -  []  317.66 164.74 0 top
NOREF#551  -  []  253.4 265.56 0 top
NOREF#552  -  []  398.65 257.37 0 top
NOREF#553  -  []  272.55 242.64 0 top
NOREF#554  -  []  175.7 230.17 90 top
NOREF#555  -  []  192.57 187.82 90 top
NOREF#556  -  []  405.93 256.82 90 top
NOREF#557  -  []  328.96 164.72 0 top
NOREF#558  -  []  284.36 272.1 90 top
NOREF#559  -  []  354.27 134.07 90 top
NOREF#560  -  []  419.9 240.66 90 top
NOREF#561  -  []  210.86 242.18 90 top
NOREF#562  -  []  337.9 186.35 90 top
NOREF#563  -  []  237.83 257.63 0 top
NOREF#564  -  []  301.56 239.06 0 top
NOREF#565  -  []  351.04 189.18 0 top
NOREF#566  -  []  379.52 188.15 0 top
NOREF#567  -  []  262.36 165.04 90 top
NOREF#568  -  []  209.49 177.76 90 top
NOREF#569  -  []  415.61 179.97 0 top
NOREF#570  -  []  121.9 238.84 0 top
NOREF#571  -  []  396.28 163.69 90 top
NOREF#572  -  []  333.33 241.33 90 top
NOREF#573  -  []  383.09 257.11 0 top
NOREF#574  -  []  495.08 259.9 90 top
NOREF#575  -  []  419.9 288.67 90 top
NOREF#576  -  []  127.59 211.59 90 top
NOREF#577  -  []  166.06 175.58 90 top
NOREF#578  -  []  419.4 171.64 0 top
NOREF#579  -  []  341.48 286.96 0 top
NOREF#580  -  []  410.78 131.89 0 top
NOREF#581  -  []  546.67 300.44 90 top
NOREF#582  -  []  106.36 190.55 0 top
NOREF#583  -  []  552.76 299.72 0 top
NOREF#584  -  []  417.2 163.64 0 top
NOREF#585  -  []  310.43 249.52 0 top
NOREF#586  -  []  194.09 201.29 90 top
NOREF#587  -  []  237.57 269.63 90 top
NOREF#588  -  []  250.49 163.52 90 top
NOREF#589  -  []  264.54 143.19 0 top
NOREF#590  -  []  412.62 297.12 0 top
NOREF#591  -  []  304.65 271.67 0 top
NOREF#592  -  []  410.52 273.37 0 top
NOREF#593  -  []  352.93 288.86 90 top
NOREF#594  -  []  406.19 188.15 0 top
NOREF#595  -  []  165.8 158.5 0 top
NOREF#596  -  []  394.46 129.99 90 top
NOREF#597  -  []  247.57 265.86 90 top
NOREF#598  -  []  459.28 168.33 0 top
NOREF#599  -  []  100.98 195.15 0 top
NOREF#600  -  []  201.66 213.45 90 top
NOREF#601  -  []  167.7 174.46 90 top
NOREF#602  -  []  167.7 255.15 0 top
NOREF#603  -  []  392.66 192.88 90 top
NOREF#604  -  []  383.07 180.2 90 top
NOREF#605  -  []  312.25 271.67 90 top
NOREF#606  -  []  263.63 225.04 90 top
NOREF#607  -  []  119.95 187.53 0 top
NOREF#608  -  []  229.21 188.88 0 top
NOREF#609  -  []  371.48 265.11 0 top
NOREF#610  -  []  381.2 242.38 90 top
NOREF#611  -  []  336.45 164.72 0 top
NOREF#612  -  []  247.78 140.14 0 top
NOREF#613  -  []  396.28 180.2 90 top
NOREF#614  -  []  272.25 184.86 90 top
NOREF#615  -  []  192.47 182.06 90 top
NOREF#616  -  []  328.96 164.74 0 top
NOREF#617  -  []  254.29 265.56 0 top
NOREF#618  -  []  453.88 239.34 0 top
NOREF#619  -  []  310.43 254.01 0 top
NOREF#620  -  []  184.47 233.47 90 top
NOREF#621  -  []  287.27 286.96 90 top
NOREF#622  -  []  298.16 177.06 0 top
NOREF#623  -  []  461.96 174.55 0 top
NOREF#624  -  []  238.3 288.61 0 top
NOREF#625  -  []  209.33 242.68 90 top
NOREF#626  -  []  259.65 204.65 90 top
NOREF#627  -  []  424.47 163.09 90 top
NOREF#628  -  []  354.27 138.37 90 top
NOREF#629  -  []  405.93 240.56 90 top
NOREF#630  -  []  250.73 205.55 0 top
NOREF#631  -  []  175.7 175.56 90 top
NOREF#632  -  []  246.23 173.13 0 top
NOREF#633  -  []  165.8 158.5 90 top
NOREF#634  -  []  272.24 189.18 90 top
NOREF#635  -  []  251.05 205.86 90 top
NOREF#636  -  []  254.61 264.65 90 top
NOREF#637  -  []  177.33 255.9 90 top
NOREF#638  -  []  375.73 199.18 90 top
NOREF#639  -  []  221.56 182.89 0 top
NOREF#640  -  []  172.08 291.65 90 top
NOREF#641  -  []  218.16 177.06 0 top
NOREF#642  -  []  175.8 160.9 90 top
NOREF#643  -  []  222.11 240.71 0 top
NOREF#644  -  []  185.2 290.01 90 top
NOREF#645  -  []  225.83 204.31 0 top
NOREF#646  -  []  420.62 239.21 90 top
NOREF#647  -  []  261.82 290.13 90 top
NOREF#648  -  []  165.8 212.85 0 top
NOREF#649  -  []  391.8 209.36 0 top
NOREF#650  -  []  229.51 183.41 0 top
NOREF#651  -  []  247.25 205.56 0 top
NOREF#652  -  []  310.73 193.69 0 top
NOREF#653  -  []  379 288.57 90 top
NOREF#654  -  []  229.51 193.69 0 top
NOREF#655  -  []  230.43 193.37 0 top
NOREF#656  -  []  351.04 185.5 0 top
NOREF#657  -  []  395.2 249.11 0 top
NOREF#658  -  []  94.68 234.24 0 top
NOREF#659  -  []  406.52 131.89 90 top
NOREF#660  -  []  229.51 247.93 0 top
NOREF#661  -  []  351.34 245.18 0 top
NOREF#662  -  []  352.55 249.5 0 top
NOREF#663  -  []  351.34 242.64 0 top
NOREF#664  -  []  392.24 194.78 90 top
NOREF#665  -  []  182.57 158.5 0 top
NOREF#666  -  []  251.62 205.56 90 top
NOREF#667  -  []  237.98 165.04 90 top
NOREF#668  -  []  220.36 237.06 0 top
NOREF#669  -  []  384.59 179.7 90 top
NOREF#670  -  []  481.96 276.41 90 top
NOREF#671  -  []  377.23 224.65 90 top
NOREF#672  -  []  249.85 164.72 0 top
NOREF#673  -  []  329.85 164.72 0 top
NOREF#674  -  []  230.43 247.61 0 top
NOREF#675  -  []  330.73 205.56 90 top
NOREF#676  -  []  310.73 193.69 0 top
NOREF#677  -  []  259.65 265.86 90 top
NOREF#678  -  []  306.71 131.64 0 top
NOREF#679  -  []  351.34 185.18 0 top
NOREF#680  -  []  109.96 238.84 0 top
NOREF#681  -  []  367.48 242.38 90 top
NOREF#682  -  []  272.25 243.59 90 top
NOREF#683  -  []  230.43 188.88 90 top
NOREF#684  -  []  343.83 171.63 90 top
NOREF#685  -  []  298.13 274.06 90 top
NOREF#686  -  []  184.47 217.55 90 top
NOREF#687  -  []  238.3 163.52 90 top
NOREF#688  -  []  379.48 222.7 90 top
NOREF#689  -  []  392.24 199.18 90 top
NOREF#690  -  []  297.71 276.09 0 top
NOREF#691  -  []  385.19 224.85 0 top
NOREF#692  -  []  332.83 205.86 90 top
NOREF#693  -  []  271.04 249.18 0 top
NOREF#694  -  []  327.15 286.96 90 top
NOREF#695  -  []  313.94 286.96 90 top
NOREF#696  -  []  265.64 135.19 0 top
